# KiCad board led_mapper_850_mirrored.kicad_pcb
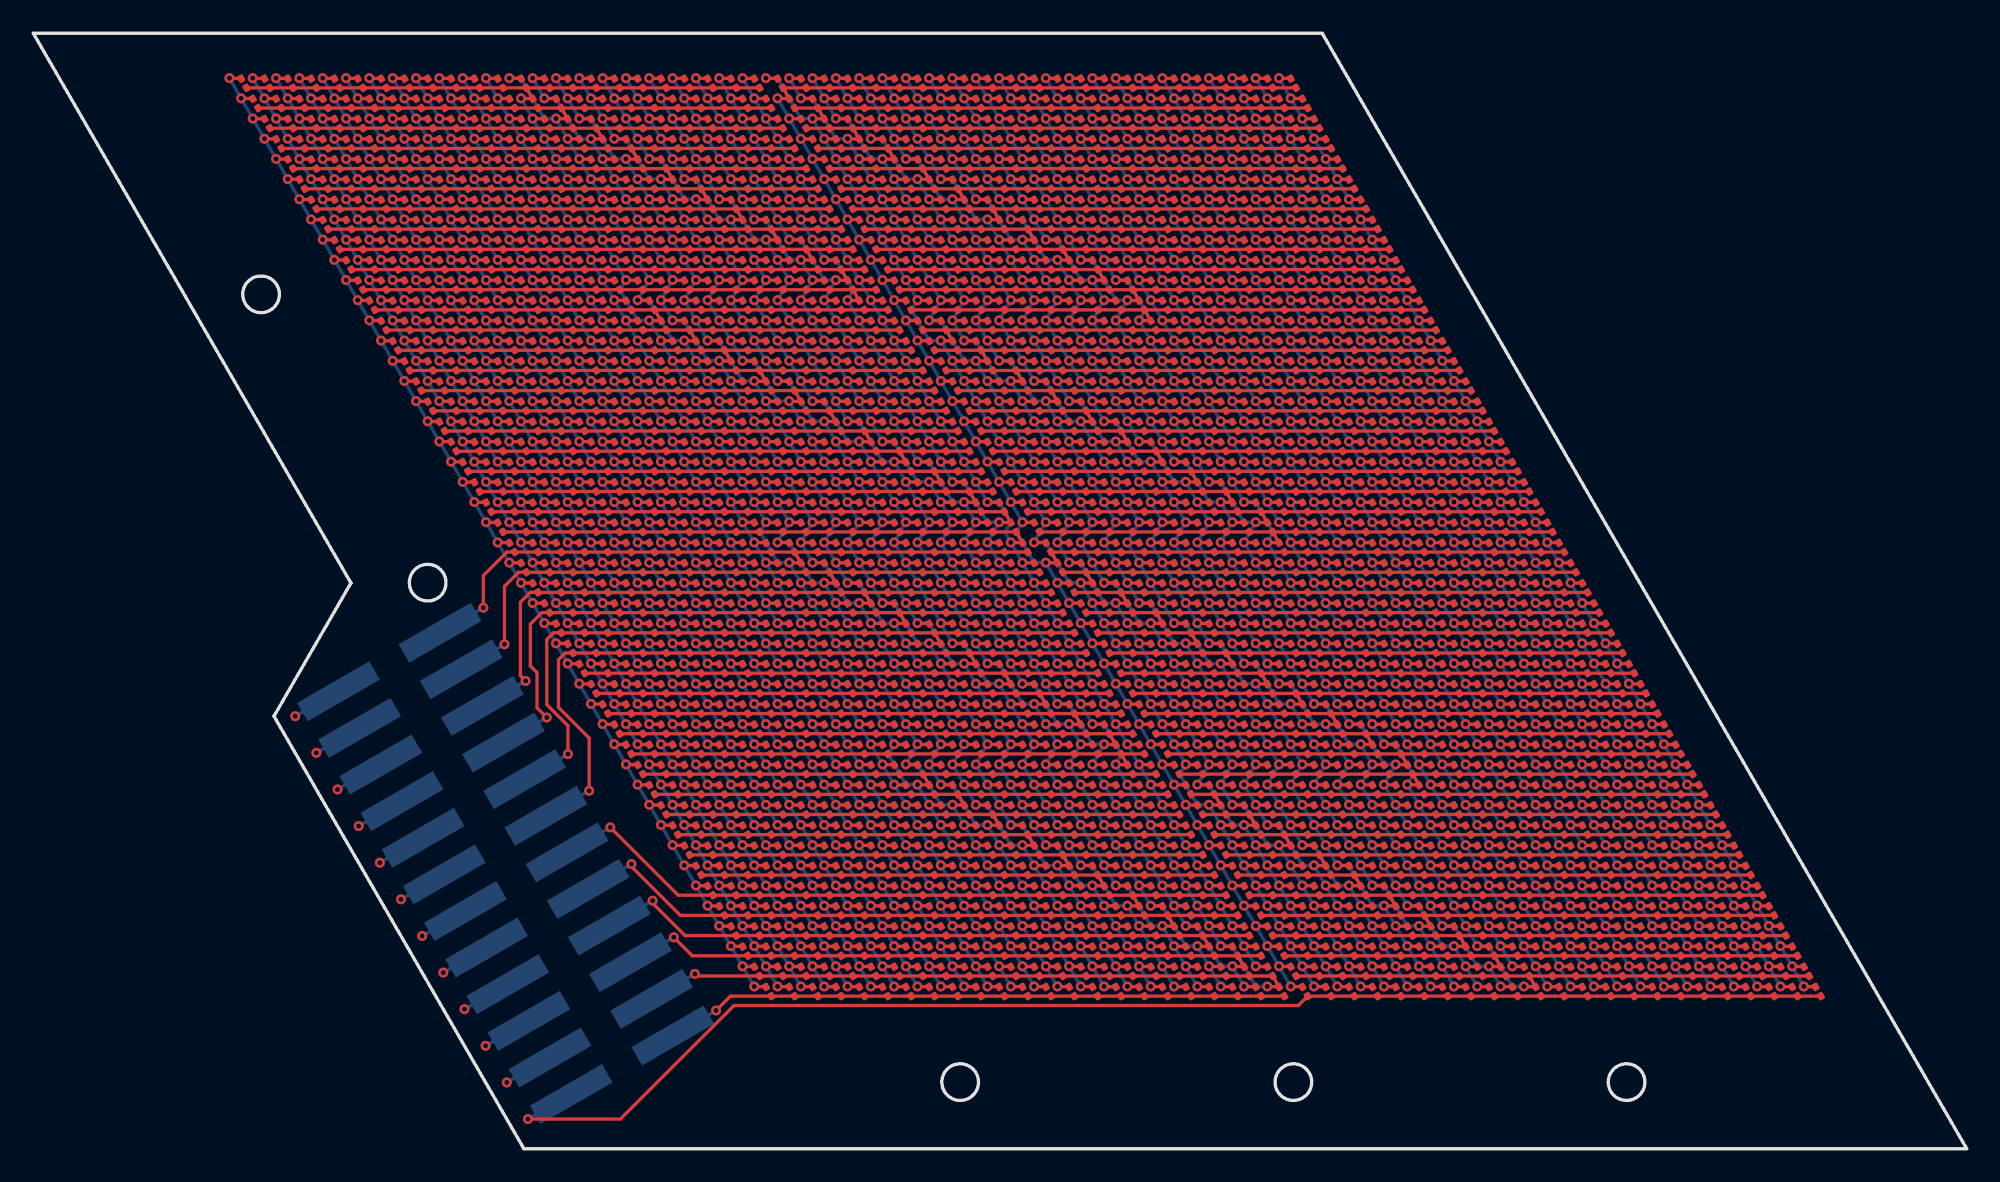
[diagram p0: board, top side]
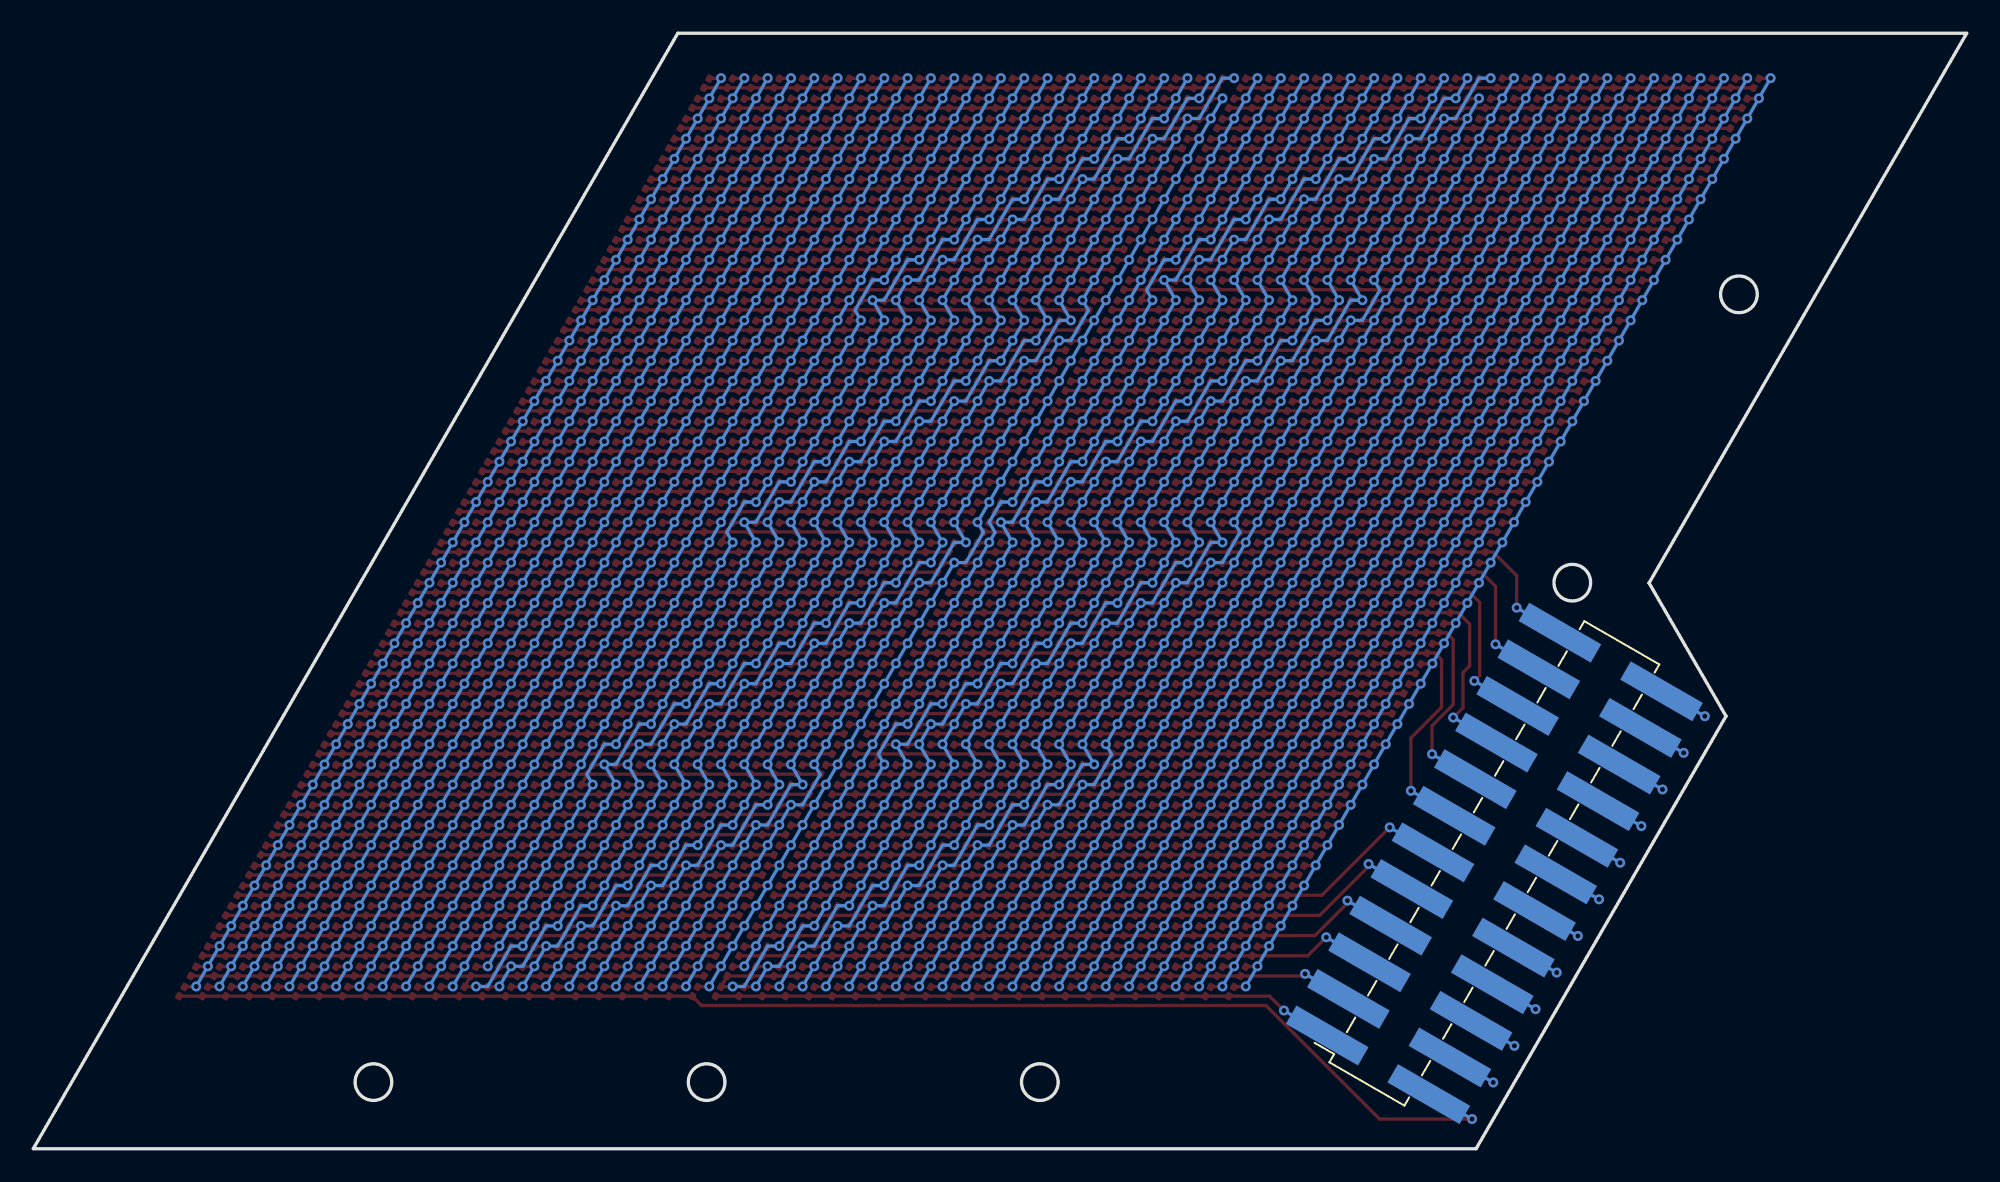
[diagram p1: board, bottom side, seen from below]

Outline 116.05 x 67 mm; copper layers: Top, In1.Cu, In2.Cu, Bottom. Coordinates in mm from the lower left corner of the outline.
Outline path: circle c13.67,51.32 r1.1 ; circle c23.67,34 r1.1 ; circle c55.63,4 r1.1 ; circle c75.63,4 r1.1 ; circle c95.63,4 r1.1 ; 0,67 77.36,67 116.05,0 29.44,0 14.44,25.98 19.06,33.98 0,67
Stack: Top 0.035mm / dielectric 0.1mm FR4 er 4.5 / In1.Cu 0.035mm / dielectric 1.24mm FR4 er 4.5 / In2.Cu 0.035mm / dielectric 0.1mm FR4 er 4.5 / Bottom 0.035mm

## Placement (name value [footprint] x y rotation side)
D1  LED  [LED_0201_0603Metric_XINGLIGHT]  75.63 64 120 top
D2  LED  [LED_0201_0603Metric_XINGLIGHT]  74.23 64 120 top
D3  LED  [LED_0201_0603Metric_XINGLIGHT]  72.83 64 120 top
D4  LED  [LED_0201_0603Metric_XINGLIGHT]  71.43 64 120 top
D5  LED  [LED_0201_0603Metric_XINGLIGHT]  70.03 64 120 top
D6  LED  [LED_0201_0603Metric_XINGLIGHT]  68.63 64 120 top
D7  LED  [LED_0201_0603Metric_XINGLIGHT]  67.23 64 120 top
D8  LED  [LED_0201_0603Metric_XINGLIGHT]  65.83 64 120 top
D9  LED  [LED_0201_0603Metric_XINGLIGHT]  64.43 64 120 top
D10  LED  [LED_0201_0603Metric_XINGLIGHT]  63.03 64 120 top
D11  LED  [LED_0201_0603Metric_XINGLIGHT]  61.63 64 120 top
D12  LED  [LED_0201_0603Metric_XINGLIGHT]  60.23 64 120 top
D13  LED  [LED_0201_0603Metric_XINGLIGHT]  58.83 64 120 top
D14  LED  [LED_0201_0603Metric_XINGLIGHT]  57.43 64 120 top
D15  LED  [LED_0201_0603Metric_XINGLIGHT]  56.03 64 120 top
D16  LED  [LED_0201_0603Metric_XINGLIGHT]  54.63 64 120 top
D17  LED  [LED_0201_0603Metric_XINGLIGHT]  53.23 64 120 top
D18  LED  [LED_0201_0603Metric_XINGLIGHT]  51.83 64 120 top
D19  LED  [LED_0201_0603Metric_XINGLIGHT]  50.43 64 120 top
D20  LED  [LED_0201_0603Metric_XINGLIGHT]  49.03 64 120 top
D21  LED  [LED_0201_0603Metric_XINGLIGHT]  47.63 64 120 top
D22  LED  [LED_0201_0603Metric_XINGLIGHT]  46.23 64 120 top
D23  LED  [LED_0201_0603Metric_XINGLIGHT]  44.83 64 120 top
D24  LED  [LED_0201_0603Metric_XINGLIGHT]  43.43 64 120 top
D25  LED  [LED_0201_0603Metric_XINGLIGHT]  42.03 64 120 top
D26  LED  [LED_0201_0603Metric_XINGLIGHT]  40.63 64 120 top
D27  LED  [LED_0201_0603Metric_XINGLIGHT]  39.23 64 120 top
D28  LED  [LED_0201_0603Metric_XINGLIGHT]  37.83 64 120 top
D29  LED  [LED_0201_0603Metric_XINGLIGHT]  36.43 64 120 top
D30  LED  [LED_0201_0603Metric_XINGLIGHT]  35.03 64 120 top
D31  LED  [LED_0201_0603Metric_XINGLIGHT]  33.63 64 120 top
D32  LED  [LED_0201_0603Metric_XINGLIGHT]  32.23 64 120 top
D33  LED  [LED_0201_0603Metric_XINGLIGHT]  30.83 64 120 top
D34  LED  [LED_0201_0603Metric_XINGLIGHT]  29.43 64 120 top
D35  LED  [LED_0201_0603Metric_XINGLIGHT]  28.03 64 120 top
D36  LED  [LED_0201_0603Metric_XINGLIGHT]  26.63 64 120 top
D37  LED  [LED_0201_0603Metric_XINGLIGHT]  25.23 64 120 top
D38  LED  [LED_0201_0603Metric_XINGLIGHT]  23.83 64 120 top
D39  LED  [LED_0201_0603Metric_XINGLIGHT]  22.43 64 120 top
D40  LED  [LED_0201_0603Metric_XINGLIGHT]  21.03 64 120 top
D41  LED  [LED_0201_0603Metric_XINGLIGHT]  19.63 64 120 top
D42  LED  [LED_0201_0603Metric_XINGLIGHT]  18.23 64 120 top
D43  LED  [LED_0201_0603Metric_XINGLIGHT]  16.83 64 120 top
D44  LED  [LED_0201_0603Metric_XINGLIGHT]  15.43 64 120 top
D45  LED  [LED_0201_0603Metric_XINGLIGHT]  14.03 64 120 top
D46  LED  [LED_0201_0603Metric_XINGLIGHT]  12.63 64 120 top
D47  LED  [LED_0201_0603Metric_XINGLIGHT]  76.33 62.79 120 top
D48  LED  [LED_0201_0603Metric_XINGLIGHT]  74.93 62.79 120 top
D49  LED  [LED_0201_0603Metric_XINGLIGHT]  73.53 62.79 120 top
D50  LED  [LED_0201_0603Metric_XINGLIGHT]  72.13 62.79 120 top
D51  LED  [LED_0201_0603Metric_XINGLIGHT]  70.73 62.79 120 top
D52  LED  [LED_0201_0603Metric_XINGLIGHT]  69.33 62.79 120 top
D53  LED  [LED_0201_0603Metric_XINGLIGHT]  67.93 62.79 120 top
D54  LED  [LED_0201_0603Metric_XINGLIGHT]  66.53 62.79 120 top
D55  LED  [LED_0201_0603Metric_XINGLIGHT]  65.13 62.79 120 top
D56  LED  [LED_0201_0603Metric_XINGLIGHT]  63.73 62.79 120 top
D57  LED  [LED_0201_0603Metric_XINGLIGHT]  62.33 62.79 120 top
D58  LED  [LED_0201_0603Metric_XINGLIGHT]  60.93 62.79 120 top
D59  LED  [LED_0201_0603Metric_XINGLIGHT]  59.53 62.79 120 top
D60  LED  [LED_0201_0603Metric_XINGLIGHT]  58.13 62.79 120 top
D61  LED  [LED_0201_0603Metric_XINGLIGHT]  56.73 62.79 120 top
D62  LED  [LED_0201_0603Metric_XINGLIGHT]  55.33 62.79 120 top
D63  LED  [LED_0201_0603Metric_XINGLIGHT]  53.93 62.79 120 top
D64  LED  [LED_0201_0603Metric_XINGLIGHT]  52.53 62.79 120 top
D65  LED  [LED_0201_0603Metric_XINGLIGHT]  51.13 62.79 120 top
D66  LED  [LED_0201_0603Metric_XINGLIGHT]  49.73 62.79 120 top
D67  LED  [LED_0201_0603Metric_XINGLIGHT]  48.33 62.79 120 top
D68  LED  [LED_0201_0603Metric_XINGLIGHT]  46.93 62.79 120 top
D69  LED  [LED_0201_0603Metric_XINGLIGHT]  45.53 62.79 120 top
D70  LED  [LED_0201_0603Metric_XINGLIGHT]  44.13 62.79 120 top
D71  LED  [LED_0201_0603Metric_XINGLIGHT]  42.73 62.79 120 top
D72  LED  [LED_0201_0603Metric_XINGLIGHT]  41.33 62.79 120 top
D73  LED  [LED_0201_0603Metric_XINGLIGHT]  39.93 62.79 120 top
D74  LED  [LED_0201_0603Metric_XINGLIGHT]  38.53 62.79 120 top
D75  LED  [LED_0201_0603Metric_XINGLIGHT]  37.13 62.79 120 top
D76  LED  [LED_0201_0603Metric_XINGLIGHT]  35.73 62.79 120 top
D77  LED  [LED_0201_0603Metric_XINGLIGHT]  34.33 62.79 120 top
D78  LED  [LED_0201_0603Metric_XINGLIGHT]  32.93 62.79 120 top
D79  LED  [LED_0201_0603Metric_XINGLIGHT]  31.53 62.79 120 top
D80  LED  [LED_0201_0603Metric_XINGLIGHT]  30.13 62.79 120 top
D81  LED  [LED_0201_0603Metric_XINGLIGHT]  28.73 62.79 120 top
D82  LED  [LED_0201_0603Metric_XINGLIGHT]  27.33 62.79 120 top
D83  LED  [LED_0201_0603Metric_XINGLIGHT]  25.93 62.79 120 top
D84  LED  [LED_0201_0603Metric_XINGLIGHT]  24.53 62.79 120 top
D85  LED  [LED_0201_0603Metric_XINGLIGHT]  23.13 62.79 120 top
D86  LED  [LED_0201_0603Metric_XINGLIGHT]  21.73 62.79 120 top
D87  LED  [LED_0201_0603Metric_XINGLIGHT]  20.33 62.79 120 top
D88  LED  [LED_0201_0603Metric_XINGLIGHT]  18.93 62.79 120 top
D89  LED  [LED_0201_0603Metric_XINGLIGHT]  17.53 62.79 120 top
D90  LED  [LED_0201_0603Metric_XINGLIGHT]  16.13 62.79 120 top
D91  LED  [LED_0201_0603Metric_XINGLIGHT]  14.73 62.79 120 top
D92  LED  [LED_0201_0603Metric_XINGLIGHT]  13.33 62.79 120 top
D93  LED  [LED_0201_0603Metric_XINGLIGHT]  77.03 61.58 120 top
D94  LED  [LED_0201_0603Metric_XINGLIGHT]  75.63 61.58 120 top
D95  LED  [LED_0201_0603Metric_XINGLIGHT]  74.23 61.58 120 top
D96  LED  [LED_0201_0603Metric_XINGLIGHT]  72.83 61.58 120 top
D97  LED  [LED_0201_0603Metric_XINGLIGHT]  71.43 61.58 120 top
D98  LED  [LED_0201_0603Metric_XINGLIGHT]  70.03 61.58 120 top
D99  LED  [LED_0201_0603Metric_XINGLIGHT]  68.63 61.58 120 top
D100  LED  [LED_0201_0603Metric_XINGLIGHT]  67.23 61.58 120 top
D101  LED  [LED_0201_0603Metric_XINGLIGHT]  65.83 61.58 120 top
D102  LED  [LED_0201_0603Metric_XINGLIGHT]  64.43 61.58 120 top
D103  LED  [LED_0201_0603Metric_XINGLIGHT]  63.03 61.58 120 top
D104  LED  [LED_0201_0603Metric_XINGLIGHT]  61.63 61.58 120 top
D105  LED  [LED_0201_0603Metric_XINGLIGHT]  60.23 61.58 120 top
D106  LED  [LED_0201_0603Metric_XINGLIGHT]  58.83 61.58 120 top
D107  LED  [LED_0201_0603Metric_XINGLIGHT]  57.43 61.58 120 top
D108  LED  [LED_0201_0603Metric_XINGLIGHT]  56.03 61.58 120 top
D109  LED  [LED_0201_0603Metric_XINGLIGHT]  54.63 61.58 120 top
D110  LED  [LED_0201_0603Metric_XINGLIGHT]  53.23 61.58 120 top
D111  LED  [LED_0201_0603Metric_XINGLIGHT]  51.83 61.58 120 top
D112  LED  [LED_0201_0603Metric_XINGLIGHT]  50.43 61.58 120 top
D113  LED  [LED_0201_0603Metric_XINGLIGHT]  49.03 61.58 120 top
D114  LED  [LED_0201_0603Metric_XINGLIGHT]  47.63 61.58 120 top
D115  LED  [LED_0201_0603Metric_XINGLIGHT]  46.23 61.58 120 top
D116  LED  [LED_0201_0603Metric_XINGLIGHT]  44.83 61.58 120 top
D117  LED  [LED_0201_0603Metric_XINGLIGHT]  43.43 61.58 120 top
D118  LED  [LED_0201_0603Metric_XINGLIGHT]  42.03 61.58 120 top
D119  LED  [LED_0201_0603Metric_XINGLIGHT]  40.63 61.58 120 top
D120  LED  [LED_0201_0603Metric_XINGLIGHT]  39.23 61.58 120 top
D121  LED  [LED_0201_0603Metric_XINGLIGHT]  37.83 61.58 120 top
D122  LED  [LED_0201_0603Metric_XINGLIGHT]  36.43 61.58 120 top
D123  LED  [LED_0201_0603Metric_XINGLIGHT]  35.03 61.58 120 top
D124  LED  [LED_0201_0603Metric_XINGLIGHT]  33.63 61.58 120 top
D125  LED  [LED_0201_0603Metric_XINGLIGHT]  32.23 61.58 120 top
D126  LED  [LED_0201_0603Metric_XINGLIGHT]  30.83 61.58 120 top
D127  LED  [LED_0201_0603Metric_XINGLIGHT]  29.43 61.58 120 top
D128  LED  [LED_0201_0603Metric_XINGLIGHT]  28.03 61.58 120 top
D129  LED  [LED_0201_0603Metric_XINGLIGHT]  26.63 61.58 120 top
D130  LED  [LED_0201_0603Metric_XINGLIGHT]  25.23 61.58 120 top
D131  LED  [LED_0201_0603Metric_XINGLIGHT]  23.83 61.58 120 top
D132  LED  [LED_0201_0603Metric_XINGLIGHT]  22.43 61.58 120 top
D133  LED  [LED_0201_0603Metric_XINGLIGHT]  21.03 61.58 120 top
D134  LED  [LED_0201_0603Metric_XINGLIGHT]  19.63 61.58 120 top
D135  LED  [LED_0201_0603Metric_XINGLIGHT]  18.23 61.58 120 top
D136  LED  [LED_0201_0603Metric_XINGLIGHT]  16.83 61.58 120 top
D137  LED  [LED_0201_0603Metric_XINGLIGHT]  15.43 61.58 120 top
D138  LED  [LED_0201_0603Metric_XINGLIGHT]  14.03 61.58 120 top
D139  LED  [LED_0201_0603Metric_XINGLIGHT]  77.73 60.36 120 top
D140  LED  [LED_0201_0603Metric_XINGLIGHT]  76.33 60.36 120 top
D141  LED  [LED_0201_0603Metric_XINGLIGHT]  74.93 60.36 120 top
D142  LED  [LED_0201_0603Metric_XINGLIGHT]  73.53 60.36 120 top
D143  LED  [LED_0201_0603Metric_XINGLIGHT]  72.13 60.36 120 top
D144  LED  [LED_0201_0603Metric_XINGLIGHT]  70.73 60.36 120 top
D145  LED  [LED_0201_0603Metric_XINGLIGHT]  69.33 60.36 120 top
D146  LED  [LED_0201_0603Metric_XINGLIGHT]  67.93 60.36 120 top
D147  LED  [LED_0201_0603Metric_XINGLIGHT]  66.53 60.36 120 top
D148  LED  [LED_0201_0603Metric_XINGLIGHT]  65.13 60.36 120 top
D149  LED  [LED_0201_0603Metric_XINGLIGHT]  63.73 60.36 120 top
D150  LED  [LED_0201_0603Metric_XINGLIGHT]  62.33 60.36 120 top
D151  LED  [LED_0201_0603Metric_XINGLIGHT]  60.93 60.36 120 top
D152  LED  [LED_0201_0603Metric_XINGLIGHT]  59.53 60.36 120 top
D153  LED  [LED_0201_0603Metric_XINGLIGHT]  58.13 60.36 120 top
D154  LED  [LED_0201_0603Metric_XINGLIGHT]  56.73 60.36 120 top
D155  LED  [LED_0201_0603Metric_XINGLIGHT]  55.33 60.36 120 top
D156  LED  [LED_0201_0603Metric_XINGLIGHT]  53.93 60.36 120 top
D157  LED  [LED_0201_0603Metric_XINGLIGHT]  52.53 60.36 120 top
D158  LED  [LED_0201_0603Metric_XINGLIGHT]  51.13 60.36 120 top
D159  LED  [LED_0201_0603Metric_XINGLIGHT]  49.73 60.36 120 top
D160  LED  [LED_0201_0603Metric_XINGLIGHT]  48.33 60.36 120 top
D161  LED  [LED_0201_0603Metric_XINGLIGHT]  46.93 60.36 120 top
D162  LED  [LED_0201_0603Metric_XINGLIGHT]  45.53 60.36 120 top
D163  LED  [LED_0201_0603Metric_XINGLIGHT]  44.13 60.36 120 top
D164  LED  [LED_0201_0603Metric_XINGLIGHT]  42.73 60.36 120 top
D165  LED  [LED_0201_0603Metric_XINGLIGHT]  41.33 60.36 120 top
D166  LED  [LED_0201_0603Metric_XINGLIGHT]  39.93 60.36 120 top
D167  LED  [LED_0201_0603Metric_XINGLIGHT]  38.53 60.36 120 top
D168  LED  [LED_0201_0603Metric_XINGLIGHT]  37.13 60.36 120 top
D169  LED  [LED_0201_0603Metric_XINGLIGHT]  35.73 60.36 120 top
D170  LED  [LED_0201_0603Metric_XINGLIGHT]  34.33 60.36 120 top
D171  LED  [LED_0201_0603Metric_XINGLIGHT]  32.93 60.36 120 top
D172  LED  [LED_0201_0603Metric_XINGLIGHT]  31.53 60.36 120 top
D173  LED  [LED_0201_0603Metric_XINGLIGHT]  30.13 60.36 120 top
D174  LED  [LED_0201_0603Metric_XINGLIGHT]  28.73 60.36 120 top
D175  LED  [LED_0201_0603Metric_XINGLIGHT]  27.33 60.36 120 top
D176  LED  [LED_0201_0603Metric_XINGLIGHT]  25.93 60.36 120 top
D177  LED  [LED_0201_0603Metric_XINGLIGHT]  24.53 60.36 120 top
D178  LED  [LED_0201_0603Metric_XINGLIGHT]  23.13 60.36 120 top
D179  LED  [LED_0201_0603Metric_XINGLIGHT]  21.73 60.36 120 top
D180  LED  [LED_0201_0603Metric_XINGLIGHT]  20.33 60.36 120 top
D181  LED  [LED_0201_0603Metric_XINGLIGHT]  18.93 60.36 120 top
D182  LED  [LED_0201_0603Metric_XINGLIGHT]  17.53 60.36 120 top
D183  LED  [LED_0201_0603Metric_XINGLIGHT]  16.13 60.36 120 top
D184  LED  [LED_0201_0603Metric_XINGLIGHT]  14.73 60.36 120 top
D185  LED  [LED_0201_0603Metric_XINGLIGHT]  78.43 59.15 120 top
D186  LED  [LED_0201_0603Metric_XINGLIGHT]  77.03 59.15 120 top
D187  LED  [LED_0201_0603Metric_XINGLIGHT]  75.63 59.15 120 top
D188  LED  [LED_0201_0603Metric_XINGLIGHT]  74.23 59.15 120 top
D189  LED  [LED_0201_0603Metric_XINGLIGHT]  72.83 59.15 120 top
D190  LED  [LED_0201_0603Metric_XINGLIGHT]  71.43 59.15 120 top
D191  LED  [LED_0201_0603Metric_XINGLIGHT]  70.03 59.15 120 top
D192  LED  [LED_0201_0603Metric_XINGLIGHT]  68.63 59.15 120 top
D193  LED  [LED_0201_0603Metric_XINGLIGHT]  67.23 59.15 120 top
D194  LED  [LED_0201_0603Metric_XINGLIGHT]  65.83 59.15 120 top
D195  LED  [LED_0201_0603Metric_XINGLIGHT]  64.43 59.15 120 top
D196  LED  [LED_0201_0603Metric_XINGLIGHT]  63.03 59.15 120 top
D197  LED  [LED_0201_0603Metric_XINGLIGHT]  61.63 59.15 120 top
D198  LED  [LED_0201_0603Metric_XINGLIGHT]  60.23 59.15 120 top
D199  LED  [LED_0201_0603Metric_XINGLIGHT]  58.83 59.15 120 top
D200  LED  [LED_0201_0603Metric_XINGLIGHT]  57.43 59.15 120 top
D201  LED  [LED_0201_0603Metric_XINGLIGHT]  56.03 59.15 120 top
D202  LED  [LED_0201_0603Metric_XINGLIGHT]  54.63 59.15 120 top
D203  LED  [LED_0201_0603Metric_XINGLIGHT]  53.23 59.15 120 top
D204  LED  [LED_0201_0603Metric_XINGLIGHT]  51.83 59.15 120 top
D205  LED  [LED_0201_0603Metric_XINGLIGHT]  50.43 59.15 120 top
D206  LED  [LED_0201_0603Metric_XINGLIGHT]  49.03 59.15 120 top
D207  LED  [LED_0201_0603Metric_XINGLIGHT]  47.63 59.15 120 top
D208  LED  [LED_0201_0603Metric_XINGLIGHT]  46.23 59.15 120 top
D209  LED  [LED_0201_0603Metric_XINGLIGHT]  44.83 59.15 120 top
D210  LED  [LED_0201_0603Metric_XINGLIGHT]  43.43 59.15 120 top
D211  LED  [LED_0201_0603Metric_XINGLIGHT]  42.03 59.15 120 top
D212  LED  [LED_0201_0603Metric_XINGLIGHT]  40.63 59.15 120 top
D213  LED  [LED_0201_0603Metric_XINGLIGHT]  39.23 59.15 120 top
D214  LED  [LED_0201_0603Metric_XINGLIGHT]  37.83 59.15 120 top
D215  LED  [LED_0201_0603Metric_XINGLIGHT]  36.43 59.15 120 top
D216  LED  [LED_0201_0603Metric_XINGLIGHT]  35.03 59.15 120 top
D217  LED  [LED_0201_0603Metric_XINGLIGHT]  33.63 59.15 120 top
D218  LED  [LED_0201_0603Metric_XINGLIGHT]  32.23 59.15 120 top
D219  LED  [LED_0201_0603Metric_XINGLIGHT]  30.83 59.15 120 top
D220  LED  [LED_0201_0603Metric_XINGLIGHT]  29.43 59.15 120 top
D221  LED  [LED_0201_0603Metric_XINGLIGHT]  28.03 59.15 120 top
D222  LED  [LED_0201_0603Metric_XINGLIGHT]  26.63 59.15 120 top
D223  LED  [LED_0201_0603Metric_XINGLIGHT]  25.23 59.15 120 top
D224  LED  [LED_0201_0603Metric_XINGLIGHT]  23.83 59.15 120 top
D225  LED  [LED_0201_0603Metric_XINGLIGHT]  22.43 59.15 120 top
D226  LED  [LED_0201_0603Metric_XINGLIGHT]  21.03 59.15 120 top
D227  LED  [LED_0201_0603Metric_XINGLIGHT]  19.63 59.15 120 top
D228  LED  [LED_0201_0603Metric_XINGLIGHT]  18.23 59.15 120 top
D229  LED  [LED_0201_0603Metric_XINGLIGHT]  16.83 59.15 120 top
D230  LED  [LED_0201_0603Metric_XINGLIGHT]  15.43 59.15 120 top
D231  LED  [LED_0201_0603Metric_XINGLIGHT]  79.13 57.94 120 top
D232  LED  [LED_0201_0603Metric_XINGLIGHT]  77.73 57.94 120 top
D233  LED  [LED_0201_0603Metric_XINGLIGHT]  76.33 57.94 120 top
D234  LED  [LED_0201_0603Metric_XINGLIGHT]  74.93 57.94 120 top
D235  LED  [LED_0201_0603Metric_XINGLIGHT]  73.53 57.94 120 top
D236  LED  [LED_0201_0603Metric_XINGLIGHT]  72.13 57.94 120 top
D237  LED  [LED_0201_0603Metric_XINGLIGHT]  70.73 57.94 120 top
D238  LED  [LED_0201_0603Metric_XINGLIGHT]  69.33 57.94 120 top
D239  LED  [LED_0201_0603Metric_XINGLIGHT]  67.93 57.94 120 top
D240  LED  [LED_0201_0603Metric_XINGLIGHT]  66.53 57.94 120 top
D241  LED  [LED_0201_0603Metric_XINGLIGHT]  65.13 57.94 120 top
D242  LED  [LED_0201_0603Metric_XINGLIGHT]  63.73 57.94 120 top
D243  LED  [LED_0201_0603Metric_XINGLIGHT]  62.33 57.94 120 top
D244  LED  [LED_0201_0603Metric_XINGLIGHT]  60.93 57.94 120 top
D245  LED  [LED_0201_0603Metric_XINGLIGHT]  59.53 57.94 120 top
D246  LED  [LED_0201_0603Metric_XINGLIGHT]  58.13 57.94 120 top
D247  LED  [LED_0201_0603Metric_XINGLIGHT]  56.73 57.94 120 top
D248  LED  [LED_0201_0603Metric_XINGLIGHT]  55.33 57.94 120 top
D249  LED  [LED_0201_0603Metric_XINGLIGHT]  53.93 57.94 120 top
D250  LED  [LED_0201_0603Metric_XINGLIGHT]  52.53 57.94 120 top
D251  LED  [LED_0201_0603Metric_XINGLIGHT]  51.13 57.94 120 top
D252  LED  [LED_0201_0603Metric_XINGLIGHT]  49.73 57.94 120 top
D253  LED  [LED_0201_0603Metric_XINGLIGHT]  48.33 57.94 120 top
D254  LED  [LED_0201_0603Metric_XINGLIGHT]  46.93 57.94 120 top
D255  LED  [LED_0201_0603Metric_XINGLIGHT]  45.53 57.94 120 top
D256  LED  [LED_0201_0603Metric_XINGLIGHT]  44.13 57.94 120 top
D257  LED  [LED_0201_0603Metric_XINGLIGHT]  42.73 57.94 120 top
D258  LED  [LED_0201_0603Metric_XINGLIGHT]  41.33 57.94 120 top
D259  LED  [LED_0201_0603Metric_XINGLIGHT]  39.93 57.94 120 top
D260  LED  [LED_0201_0603Metric_XINGLIGHT]  38.53 57.94 120 top
D261  LED  [LED_0201_0603Metric_XINGLIGHT]  37.13 57.94 120 top
D262  LED  [LED_0201_0603Metric_XINGLIGHT]  35.73 57.94 120 top
D263  LED  [LED_0201_0603Metric_XINGLIGHT]  34.33 57.94 120 top
D264  LED  [LED_0201_0603Metric_XINGLIGHT]  32.93 57.94 120 top
D265  LED  [LED_0201_0603Metric_XINGLIGHT]  31.53 57.94 120 top
D266  LED  [LED_0201_0603Metric_XINGLIGHT]  30.13 57.94 120 top
D267  LED  [LED_0201_0603Metric_XINGLIGHT]  28.73 57.94 120 top
D268  LED  [LED_0201_0603Metric_XINGLIGHT]  27.33 57.94 120 top
D269  LED  [LED_0201_0603Metric_XINGLIGHT]  25.93 57.94 120 top
D270  LED  [LED_0201_0603Metric_XINGLIGHT]  24.53 57.94 120 top
D271  LED  [LED_0201_0603Metric_XINGLIGHT]  23.13 57.94 120 top
D272  LED  [LED_0201_0603Metric_XINGLIGHT]  21.73 57.94 120 top
D273  LED  [LED_0201_0603Metric_XINGLIGHT]  20.33 57.94 120 top
D274  LED  [LED_0201_0603Metric_XINGLIGHT]  18.93 57.94 120 top
D275  LED  [LED_0201_0603Metric_XINGLIGHT]  17.53 57.94 120 top
D276  LED  [LED_0201_0603Metric_XINGLIGHT]  16.13 57.94 120 top
D277  LED  [LED_0201_0603Metric_XINGLIGHT]  79.83 56.73 120 top
D278  LED  [LED_0201_0603Metric_XINGLIGHT]  78.43 56.73 120 top
D279  LED  [LED_0201_0603Metric_XINGLIGHT]  77.03 56.73 120 top
D280  LED  [LED_0201_0603Metric_XINGLIGHT]  75.63 56.73 120 top
D281  LED  [LED_0201_0603Metric_XINGLIGHT]  74.23 56.73 120 top
D282  LED  [LED_0201_0603Metric_XINGLIGHT]  72.83 56.73 120 top
D283  LED  [LED_0201_0603Metric_XINGLIGHT]  71.43 56.73 120 top
D284  LED  [LED_0201_0603Metric_XINGLIGHT]  70.03 56.73 120 top
D285  LED  [LED_0201_0603Metric_XINGLIGHT]  68.63 56.73 120 top
D286  LED  [LED_0201_0603Metric_XINGLIGHT]  67.23 56.73 120 top
D287  LED  [LED_0201_0603Metric_XINGLIGHT]  65.83 56.73 120 top
D288  LED  [LED_0201_0603Metric_XINGLIGHT]  64.43 56.73 120 top
D289  LED  [LED_0201_0603Metric_XINGLIGHT]  63.03 56.73 120 top
D290  LED  [LED_0201_0603Metric_XINGLIGHT]  61.63 56.73 120 top
D291  LED  [LED_0201_0603Metric_XINGLIGHT]  60.23 56.73 120 top
D292  LED  [LED_0201_0603Metric_XINGLIGHT]  58.83 56.73 120 top
D293  LED  [LED_0201_0603Metric_XINGLIGHT]  57.43 56.73 120 top
D294  LED  [LED_0201_0603Metric_XINGLIGHT]  56.03 56.73 120 top
D295  LED  [LED_0201_0603Metric_XINGLIGHT]  54.63 56.73 120 top
D296  LED  [LED_0201_0603Metric_XINGLIGHT]  53.23 56.73 120 top
D297  LED  [LED_0201_0603Metric_XINGLIGHT]  51.83 56.73 120 top
D298  LED  [LED_0201_0603Metric_XINGLIGHT]  50.43 56.73 120 top
D299  LED  [LED_0201_0603Metric_XINGLIGHT]  49.03 56.73 120 top
D300  LED  [LED_0201_0603Metric_XINGLIGHT]  47.63 56.73 120 top
D301  LED  [LED_0201_0603Metric_XINGLIGHT]  46.23 56.73 120 top
D302  LED  [LED_0201_0603Metric_XINGLIGHT]  44.83 56.73 120 top
D303  LED  [LED_0201_0603Metric_XINGLIGHT]  43.43 56.73 120 top
D304  LED  [LED_0201_0603Metric_XINGLIGHT]  42.03 56.73 120 top
D305  LED  [LED_0201_0603Metric_XINGLIGHT]  40.63 56.73 120 top
D306  LED  [LED_0201_0603Metric_XINGLIGHT]  39.23 56.73 120 top
D307  LED  [LED_0201_0603Metric_XINGLIGHT]  37.83 56.73 120 top
D308  LED  [LED_0201_0603Metric_XINGLIGHT]  36.43 56.73 120 top
D309  LED  [LED_0201_0603Metric_XINGLIGHT]  35.03 56.73 120 top